# Altium PCB spd150.PcbDoc (part 13 of 15)
Units mil, origin at the board's own origin, x right, y up, seen from the top; angles counter-clockwise.
Board outline 8557 x 5807 mil, 10 copper layers (TOP, LYR2-PLN, LYR3-SIG, LYR4-SIG, LYR5-PLN, LYR6-PLN, LYR7-SIG, LYR8-SIG, LYR9-PLN, BOTTOM), stack 84 mil thick; 1065 components, 972 nets, 4226 pads, 2810 vias.
Unrouted connection lines stored in the file: 16.
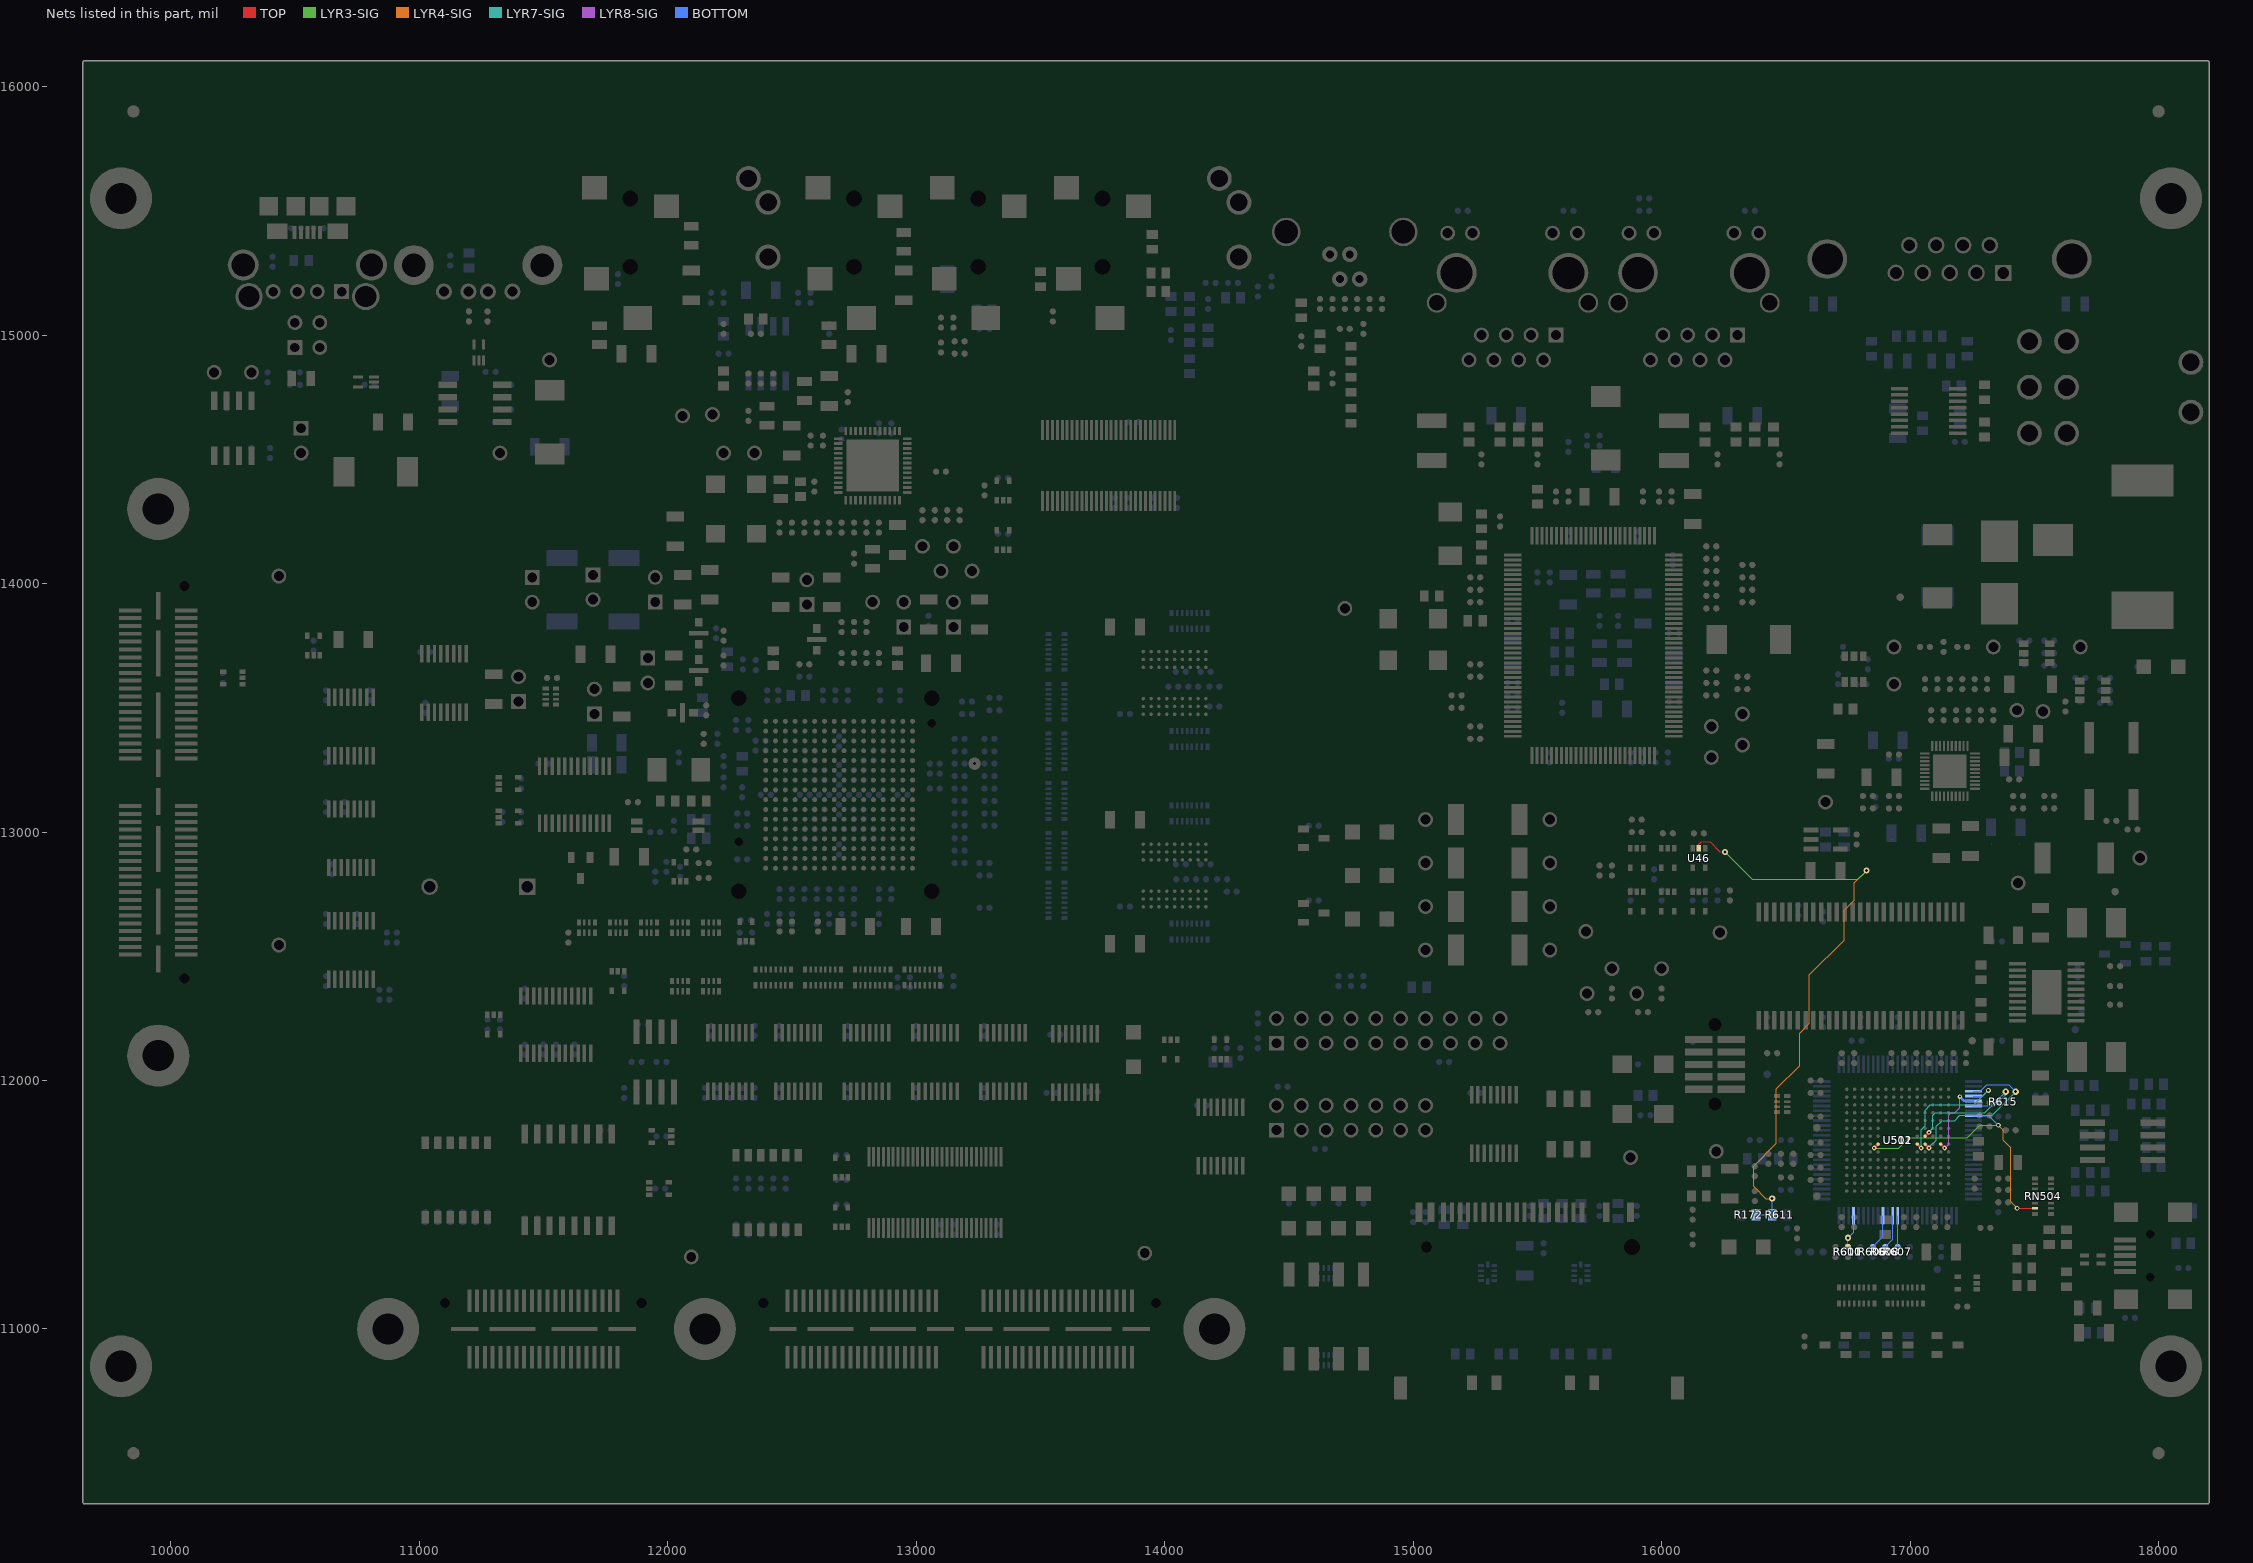
[diagram p21: the nets of this part, all layers, seen from the top]

## Via types
v1: diameter 25, hole 12, TOP to BOTTOM, 2018 vias
v2: diameter 19, hole 8, TOP to BOTTOM, 651 vias
v3: diameter 20, hole 10, TOP to BOTTOM, 120 vias
v4: diameter 22, hole 10, TOP to BOTTOM, 21 vias

## Nets (pads, with @x,y where several pads share a name; then routed paths per layer and width w, separated by ;. In a path a pad name is that pad's centre, name@x,y a point inside that pad or via, vN(x,y) a via of type N, cw(c..) or ccw(c..) an arc to the next point about the centre after c; other vN are vias at no path point) (continued)
XEVNT1: R601.1 R610.1 U511.72 | length 171.4
  TOP w5: R610.1@16750,11330 v1(16750,11367)
  BOTTOM w5: R601.1@16750,11330 v1(16750,11367) 16772.7,11389.7 U511.72@16772.7,11455
XRSN: R172.2 R611.2 U46.2 | length 2455.9
  TOP w5: U46.2@16150,12934 16150,12950 16160,12960 16195,12960 16235,12920 v1(16255,12920)
  LYR3-SIG w5: v1(16255,12920) 16365,12810 16790,12810 v1(16825,12845)
  LYR4-SIG w5: v1(16445,11525) 16420,11525 16370,11575 16370,11655 16462,11747 16462,11967 16555,12060 16555,12190 16595,12230 16595,12425 16735,12565 16735,12685 16775,12725 16775,12795 v1(16825,12845)
  BOTTOM w5: R172.2@16380,11460 R611.2@16445,11460 v1(16445,11525)
XTDI: R608.1 U511.64 | length 137.6
  BOTTOM w5: R608.1@16900,11330 16930.3,11360.3 U511.64@16930.3,11455
XTDO: R607.1 U511.63 | length 125
  BOTTOM w5: R607.1@16950,11330 U511.63@16950,11455
XTMS: R606.1 U511.66 | length 141.9
  BOTTOM w5: R606.1@16850,11330 16890.9,11370.9 U511.66@16890.9,11455
ZCE0: R615.2 U502.H4 U511.31 | length 590.9
  TOP w10: U502.H4@17060.3,11775.8 v2(17076,11791.5)
  LYR7-SIG w4: v2(17076,11791.5) 17076.5,11791.5 17092,11807 17092,11861 17101.5,11870.5 17255,11870.5
  LYR7-SIG w5: 17255,11870.5 17300.5,11870.5 v1(17385,11955)
  BOTTOM w5: U511.31@17255,11897.9 17337.9,11897.9 R615.2@17355,11915 17356.4,11915 17385,11943.6 v1(17385,11955)
ZINT2: RN504.15 U502.G10 U511.33 | length 1113.3
  TOP w5: v3(17431,11486) RN504.15@17503,11486
  TOP w10: v2(16855.4,11728.4) U502.G10@16871.2,11744.2
  LYR3-SIG w4: v2(16855.4,11728.4) 16953.4,11728.4 16995,11770 17230,11770
  LYR3-SIG w5: 17230,11770 17280,11820 v3(17355,11820)
  LYR4-SIG w5: v3(17355,11820) 17375,11800 17375,11760 17405,11730 17405,11512 v3(17431,11486)
  BOTTOM w5: U511.33@17255,11858.5 17316.5,11858.5 v3(17355,11820)
ZOE: U502.G2 U511.30 | length 325.7
  TOP w10: U502.G2@17123.3,11744.2 v2(17139,11728.4)
  LYR8-SIG w4: v2(17139,11728.4) 17155,11744.4 17155,11861 17164,11870 17180,11870 17200,11890 v2(17200,11935)
  BOTTOM w10: v2(17200,11935) 17217.4,11917.6 U511.30@17255,11917.6
ZRE: U502.G5 U511.29 | length 537.8
  TOP w10: U502.G5@17028.8,11744.2 v2(17044.5,11728.4)
  LYR7-SIG w4: v2(17044.5,11728.4) 17044.5,11801 17060.5,11817 17060.5,11880.5 17081.5,11901.5 17255,11901.5
  LYR7-SIG w5: 17255,11901.5 17256.5,11901.5 v3(17315,11960)
  BOTTOM w5: U511.29@17255,11937.3 17292.3,11937.3 v3(17315,11960)
ZWE: U502.G4 U511.28 | length 690.8
  TOP w10: U502.G4@17060.3,11744.2 v2(17076,11728.4)
  LYR7-SIG w4: v2(17076,11728.4) 17076,11731 17105,11760 17105,11815 17129,11839 17179,11839 17200,11860 17255,11860
  LYR7-SIG w5: 17255,11860 17330,11860 v1(17425,11955)
  BOTTOM w5: U511.28@17255,11957 17283.2,11957 17308.7,11982.5 17397.5,11982.5 v1(17425,11955)
pads on no net: "J201. " "J205. " "P2. " "P12. " "U1. " D21.2 D503.2 D504.2 D505.2 D506.2 D507.2 J2.9 J2.10 J5.17 J5.19 J201.4 P1.1 P1.4 P1.6 P1.9 P2.25 P2.26 P3.5 P3.6 P4.5 P4.6 P5.4 P5.5 P5.6 P6.4 P6.5 P6.6 P8.5 P8.6 P9.7 P9.MH1 P9.MH2 P10.7 P10.MH1 P10.MH2 P11.6 P11.75 P11.89 P11.90 P12.23 P13.5 P13.47 P13.53 P13.54 P13.69 P13.75 P13.76 P13.89 P13.90 RN5.1 RN5.8 RN11.1 RN11.16 RN16.8 RN16.9 RN501.1 RN501.5 RN501.6 RN501.7 RN501.8 RN501.9 RN501.10 RN501.11 RN501.12 RN501.15 RN501.16 RN502.1 RN502.2 RN502.15 RN502.16 RN504.7 RN504.8 RN504.9 RN504.10 SW2.6 SW2.7 SW6.3 SW6.6 SW6.7 SW6.8 U2.10 U2.11 U2.13 U2.14 U8.33 U8.34 U8.51 U8.52 U9.10 U9.11 U9.13 U9.14 U10.10 U10.11 U10.13 U10.14 U11.13 U11.14 U19.11 U21.E2 U22.E2 U23.3 U23.4 U23.5 U23.6 U23.11 U23.12 U23.13 U23.14 U24.10 U28.10 U32.4 U32.6 U32.9 U33.3 U33.4 U33.9 U37.1 U38.4 U38.6 U38.12 U38.30 U38.32 U41.9 U41.10 U41.11 U41.17 U41.18 U41.19 U41.24 U41.34 U41.35 U41.72 U41.73 U41.80 U41.82 U41.83 U41.86 U41.87 U41.96 U41.99 U42.1 U44.31 U45.3 U48.3 U51.1 U52.1 U53.1 U55.2 U56.2 U57.1 U58.5 U58.6 U58.10 U58.11 U58.13 U58.14 U502.A11 U502.B4 U502.B10 U502.B12 U502.C3 U502.C9 U502.D5 U502.D7 U502.D10 U502.E9 U502.E10 U502.F1 U502.G3 U502.H3 U502.H5 U502.H11 U502.J3 U502.K1 U502.K9 U502.L4 U502.M8 U502.P5 U502.P7 U510.1 U510.11 U510.20 U511.13 U511.18 U511.24 U511.26 U511.27 U511.34 U511.37 U511.45 U511.46 U511.48 U511.49 U511.53 U511.55 U511.56 U511.59 U511.60 U511.62 U511.65 U511.70 U511.78 U511.79 U511.80 U511.81 U511.83 U511.84 U511.89 U511.92 U511.93 U511.94 U511.95 U511.96 U511.97 U511.98 U511.99 U512.36 U512.40 U513.1 Z1.1 Z2.1 Z3.1 Z4.1 Z5.1 Z7.1 Z8.1 Z9.1 Z10.1
copper on no net: | length 480.3
  TOP w5: v1(11832.4,12525) 11832.4,12594.5 ; 11832.4,12635.5 11832.4,12672.4 v1(11835,12675) ; 12696.6,12383 12696.6,12360 12705,12351.6 v1(12705,12300) ; 12696.6,12447 12696.6,12466.4 12705,12474.8 v1(12705,12530) ; v3(16904.1,11204) 16908.4,11199.7 16908.4,11167 ; v3(16927.6,11235) 16927.6,11194.9 16931,11191.5 16931,11167
  TOP w10: v2(14024.3,12935.3) 14040.1,12919.5 ; v2(14024.3,13710.3) 14040.1,13694.5 ; 17028.8,11964.8 v2(17044.5,11980.5) ; 17154.8,11838.8 v2(17170.5,11854.5)
  other v1: 12745,14395 12785,14395 12825,14395 12865,14395 12905,14395 12745,14435 12785,14435 12825,14435 12865,14435 12905,14435 12745,14475 12785,14475 12825,14475 12865,14475 12905,14475 12745,14515 12785,14515 12825,14515 12865,14515 12905,14515 12745,14555 12785,14555 12825,14555 12865,14555 12905,14555
  other v2: 12060,13480 12125,13650 12600,13775 12125,13800

## Polygon pours and split planes (outlines as drawn)
GND on TOP (solid, pour order 160): 32 vertices, not listed, extent 10375,15140 10500,15340
GND on TOP (solid, pour order 156): 17145,14280 17205,14220 17205,14180 17200,14175 17030,14175 17010,14195 17010,14220 17070,14280 17145,14280
GND on TOP (solid, pour order 154): 18155,14005 18155,13780 18125,13750 17775,13750 17745,13780 17745,13985 17800,14040 18120,14040 18155,14005
GND on TOP (solid, pour order 152): 18165,14510 18165,14330 18155,14320 17785,14320 17760,14345 17760,14490 17790,14520 18155,14520 18165,14510
GND on TOP (solid, pour order 150): 17570,12050 17445,12050 17440,12045 17440,12005 17445,12000 17570,12000 17575,12005 17575,12045 17570,12050
DSK_1V2_SYS_OKAY on TOP (solid, pour order 148): 114 vertices, not listed, extent 17110,13710 17460,13875
DSK_1V8_SYS_OKAY on TOP (solid, pour order 146): 21 vertices, not listed, extent 16794.97,13680 17055,13790
N17367683 on TOP (solid, pour order 140): 12530,13940 12535,13945 12660,13945 12690,13915 12690,13890 12685,13885 12650,13885 12635,13870 12635,13815 12625,13805 12550,13805 12530,13825 12530,13940
VCC_1V2 on TOP (solid, pour order 134): 108 vertices, not listed, extent 17410,12788.8 17535,13070
N17058140 on TOP (solid, pour order 126): 12915,13860 12920,13865 13180,13865 13185,13860 13185,13795 13180,13790 12920,13790 12915,13795 12915,13860
N16299267 on TOP (solid, pour order 112): 52 vertices, not listed, extent 17475,12025 17990,12710
N16299235 on TOP (solid, pour order 110): 72 vertices, not listed, extent 17475,12025 17825,12330
USBVIN on TOP (solid, pour order 106): 17745,11105 17745,11065 17770,11040 17770,10960 17785,10945 17815,10945 17830,10960 17830,11050 17810,11070 17800,11080 17800,11155 17790,11165 17780,11165 17745,11130 17745,11105
N16874132 on TOP (solid, pour order 92): 205 vertices, not listed, extent 11245,14685 11610,15210
N21432686 on TOP (solid, pour order 90): 12150,13620 12175,13595 12175,13510 12165,13500 12150,13500 12075,13575 12075,13585 12110,13620 12150,13620
N21432690 on TOP (solid, pour order 88): 12165,13740 12110,13740 12110,13770 12200,13770 12210,13780 12230,13780 12235,13775 12235,13705 12230,13700 12205,13700 12165,13740
CPU_1V2 on TOP (solid, pour order 82): 12320,13615 12280,13655 12280,13985 12305,14010 12355,14010 12385,13980 12385,13665 12335,13615 12320,13615
CPU_1V2 on TOP (solid, pour order 76): 17791,12850 17759,12882 17759,12927 17769,12937 17785,12937 17793,12945 17910,12945 17950,12905 17950,12885 17915,12850 17791,12850
N18196957 on TOP (solid, pour order 70): 10605,14380 10490,14495 10490,14540 10504.9,14554.9 10725.1,14554.9 10745,14535 10745,14390 10735,14380 10605,14380
N17193780 on TOP (solid, pour order 66): 532 vertices, not listed, extent 10125,14575 10750,14885
VCC_5V on TOP (solid, pour order 60): 17129.9,13865.1 17090,13905 17060,13905 17055,13910 17055,13990 17045,14000 17045,14020 17060,14035 17150,14035 17210,13975 17210,13940 17165.1,13895.1 17161.7,13895.1 17131.7,13865.1 17129.9,13865.1
VCC_5V on TOP (solid, pour order 58): 10025,13940 10035,13930 10165,13930 10185,13910 10185,13880 10155,13850 9990,13850 9980,13860 9980,13915 10005,13940 10025,13940
VCC_5V on TOP (solid, pour order 56): 9715,12525 9740,12550 9920,12550 9925,12545 9925,12500 9885,12460 9755,12460 9715,12500 9715,12525
VCC_5V on TOP (solid, pour order 54): 9975,12535 9990,12550 10150,12550 10185,12515 10185,12495 10170,12480 9985,12480 9975,12490 9975,12535
VCC_5V on TOP (solid, pour order 52): 9780,13850 9750,13850 9725,13875 9725,13910 9760,13945 9885,13945 9925,13905 9925,13855 9920,13850 9895,13850 9890,13855 9785,13855 9780,13850
VCC_5V on TOP (solid, pour order 50): 11155,10940 11185,10970 11235,10970 11240,10965 11240,10780 11235,10775 11225,10775 11155,10845 11155,10940
VCC_5V on TOP (solid, pour order 48): 11180,11025 11150,11055 11150,11190 11165,11205 11220,11205 11245,11180 11245,11040 11230,11025 11180,11025
VCC_5V on TOP (solid, pour order 46): 11760,10960 11770,10970 11825,10970 11845,10950 11845,10825 11790,10770 11765,10770 11760,10775 11760,10960
VCC_5V on TOP (solid, pour order 44): 11760,11035 11760,11175 11755,11180 11755,11190 11765,11200 11870,11200 11880,11190 11880,11180 11875,11180 11845,11150 11845,11055 11815,11025 11770,11025 11760,11035
VCC_5V on TOP (solid, pour order 42): 74 vertices, not listed, extent 12435,10800 12525,10970
VCC_5V on TOP (solid, pour order 40): 12435,11180 12450,11195 12530,11195 12535,11190 12535,11180 12525,11170 12525,11045 12530,11040 12530,11035 12525,11030 12470,11030 12450,11050 12450,11150 12435,11165 12435,11180
VCC_5V on TOP (solid, pour order 38): 17 vertices, not listed, extent 13810,10800 13915,10975
VCC_5V on TOP (solid, pour order 36): 13830,11030 13825,11035 13825,11050 13830,11055 13830,11175 13820,11185 13820,11195 13825,11200 13900,11200 13915,11185 13915,11065 13880,11030 13830,11030
VCC_5V on TOP (solid, pour order 34): 17784.9,12570.1 17775,12580 17775,12705 17790,12720 17955,12720 17970,12705 17970,12580 17960.1,12570.1 17784.9,12570.1
VCC_1V8 on TOP (solid, pour order 26): 15170,13120 15230,13060 15230,12820 15210,12800 15010,12800 14980,12830 14980,13090 15010,13120 15170,13120
VCC_1V8 on TOP (solid, pour order 24): 16965.5,13341.5 16945,13362 16945,13423 16946,13424 16946,13476 16955,13485 17005,13485 17019.4,13470.6 17019.4,13402.6 17021,13401 17021,13396 17035,13382 17035,13348 17028.5,13341.5 16965.5,13341.5
N17212921 on TOP (solid, pour order 20): 18 vertices, not listed, extent 12520,14690 12745,14755
N17307196 on TOP (solid, pour order 16): 17290,14270 17300,14280 17605,14280 17650,14235 17650,14115 17610,14075 17305,14075 17290,14090 17290,14270
N17306324 on TOP (solid, pour order 10): 17475,13840 17453.4,13840 17453.3,13840.1 17278.3,13840.1 17235,13883.4 17235,14000 17245,14010 17285,14010 17295,14000 17435,14000 17455,14020 17475,14020 17490,14005 17490,13855 17475,13840
DSK_3V3 on TOP (solid, pour order 6): 16480,11855 16480,11955 16465,11970 16420,11970 16415,11965 16415,11845 16420,11840 16465,11840 16480,11855
DSK_3V3 on TOP (solid, pour order 4): 17555,11570 17620,11570 17630,11560 17630,11455 17620,11445 17560,11445 17555,11450 17555,11570
DSK_3V3 on TOP (solid, pour order 2): 17071.1,11116.9 17073,11115 17073,11053 17065,11045 16935,11045 16930,11050 16930,11070 16945,11085 16945,11115 16950,11120 17068,11120 17071.1,11116.9
N17156427 on TOP (solid, pour order 0): 254 vertices, not listed, extent 10483.8,14795 10760,15435
ENET_VDDA on LYR6-PLN (solid, pour order 114): 404 vertices, not listed, extent 15595,14025 16165,14385
DSK_3V3 on LYR6-PLN (solid, pour order 8): 928 vertices, not listed, extent 9675,10725 18175,15675
GND on BOTTOM (solid, pour order 162): 198 vertices, not listed, extent 12390,13530 12540,13820
GND on BOTTOM (solid, pour order 158): 831 vertices, not listed, extent 12565,13136.1 12823.5,13405
DSK_1V8_SYS_OKAY on BOTTOM (solid, pour order 144): 16920,13695 16900,13715 16900,13770 16920,13790 17040,13790 17055,13775 17055,13755.2 17054.8,13755.2 17054.8,13734.8 17055,13734.8 17055,13705 17045,13695 16920,13695
ENET_VDDATR on BOTTOM (solid, pour order 120): 15300,14635 15285,14650 15285,14795 15365,14875 15365,14900 15405,14940 15450,14940 15465,14925 15465,14850 15370,14755 15370,14655 15350,14635 15300,14635
ENET_VDDATR on BOTTOM (solid, pour order 118): 59 vertices, not listed, extent 16110,14630 16310,14945
USBVIN on BOTTOM (solid, pour order 108): 21 vertices, not listed, extent 17620,11025 17875,11190
DVDD on BOTTOM (solid, pour order 102): 480 vertices, not listed, extent 12795,12945 12955,13170
CPU_3V3 on BOTTOM (solid, pour order 64): 11655,13535 11635,13555 11635,13605 11670,13640 11670,13935 11695,13960 11805,13960 11870,13895 11870,13655 11885,13640 11940,13640 11975,13605 11975,13580 11930,13535 11655,13535
VCC_1V8 on BOTTOM (solid, pour order 22): 29 vertices, not listed, extent 16957,13288 17046,13399
N17307196 on BOTTOM (solid, pour order 18): 148 vertices, not listed, extent 17080,13930 17490,14270
N17306324 on BOTTOM (solid, pour order 12): 36 vertices, not listed, extent 17220,13850 17865,15065
N17058140 on LYR4-SIG (solid, pour order 128): 769 vertices, not listed, extent 12565,13145 13200,13875
GND_E_ENET on LYR4-SIG (solid, pour order 124): 1107 vertices, not listed, extent 14900,14640 16510,15180
CVDD on LYR4-SIG (solid, pour order 96): 931 vertices, not listed, extent 12600.1,12960 13080.3,13165
N20301254 on LYR4-SIG (solid, pour order 74): 408 vertices, not listed, extent 12385,13365 12485,13640
N20333449 on LYR4-SIG (solid, pour order 68): 608 vertices, not listed, extent 12100,13180 12565,13450
N16404807 on LYR4-SIG (solid, pour order 32): 501 vertices, not listed, extent 16425.6,11595 16815,11780
N17306324 on LYR4-SIG (solid, pour order 14): 127 vertices, not listed, extent 17200,13840 17887.5,15095
DSK_1V8 on LYR7-SIG (solid, pour order 132): 373 vertices, not listed, extent 15450,12837.5 16980,13560
ALT_CPU_1V2 on LYR7-SIG (solid, pour order 100): 2757 vertices, not listed, extent 11245,13335 16585,14230
CVDD on LYR7-SIG (solid, pour order 98): 2505 vertices, not listed, extent 11380,12560 13090,14100
CPU_1V2 on LYR7-SIG (solid, pour order 78): 1561 vertices, not listed, extent 13530,12840 18080,14327.5
USB_USBVDD on LYR7-SIG (solid, pour order 72): 229 vertices, not listed, extent 17104.8,11485 17355,11655
VCC_1V8 on LYR7-SIG (solid, pour order 28): 655 vertices, not listed, extent 14590,12605 17285,13400
VCC_3V3 on LYR9-PLN (solid, pour order 130): 1861 vertices, not listed, extent 10460,11935 17095,13825
DVDD on LYR9-PLN (solid, pour order 104): 3128 vertices, not listed, extent 11270,12460 13325,14200
USB_2.5V on LYR9-PLN (solid, pour order 94): 1563 vertices, not listed, extent 15860,10730 18175,12575
VCC_5V on LYR9-PLN (solid, pour order 62): 2202 vertices, not listed, extent 9685,10730 18170,15670
USB_1.6V on LYR9-PLN (solid, pour order 30): 1926 vertices, not listed, extent 16095.1,10920.1 17614.9,12520
GND_E_RS232 on LYR3-SIG (solid, pour order 142): 36 vertices, not listed, extent 16530,14860 17830,15650
VLDO2 on LYR3-SIG (solid, pour order 138): 831 vertices, not listed, extent 16525,12920 17590,13545
ENET_VDDATR on LYR3-SIG (solid, pour order 116): 400 vertices, not listed, extent 15295,14210 16215,15045
CPU_1V2 on LYR3-SIG (solid, pour order 80): 212 vertices, not listed, extent 11385,13790 12415,14030
ALT_3V3 on LYR8-SIG (solid, pour order 136): 505 vertices, not listed, extent 15815,12585 17910,13835
ENET_VDDIO on LYR8-SIG (solid, pour order 122): 241 vertices, not listed, extent 15400,13340 16004.4,13875
CPU_1V2 on LYR8-SIG (solid, pour order 84): 940 vertices, not listed, extent 12295,13770 13735,14145
GND on LYR5-PLN (solid, pour order 164): 2179 vertices, not listed, extent 9680,10725 18175,15675
GND_EARTH on LYR5-PLN (solid, pour order 86): 618 vertices, not listed, extent 9680,14945 10965,15675
GND on LYR2-PLN (solid, pour order 166): 2100 vertices, not listed, extent 9680,10725 18175,15675
no net on ASSY (solid): 14414.2,13235.4 14360.2,13235.4 14318.2,13277.4 14318.2,13424.4 14360.2,13466.4 14414.2,13466.4 14414.2,13235.4
no net on ASSY (solid): 14490.7,13466.4 14544.7,13466.4 14586.7,13424.4 14586.7,13277.4 14544.7,13235.4 14490.7,13235.4 14490.7,13466.4
no net on ASSY (solid): 14301.7,13910.4 14247.7,13910.4 14205.7,13952.4 14205.7,14099.4 14247.7,14141.4 14301.7,14141.4 14301.7,13910.4
no net on ASSY (solid): 14378.2,14141.4 14432.2,14141.4 14474.2,14099.4 14474.2,13952.4 14432.2,13910.4 14378.2,13910.4 14378.2,14141.4
no net on ASSY (solid): 15012.7,13208.4 14958.7,13208.4 14916.7,13250.4 14916.7,13397.4 14958.7,13439.4 15012.7,13439.4 15012.7,13208.4
no net on ASSY (solid): 15089.2,13439.4 15143.2,13439.4 15185.2,13397.4 15185.2,13250.4 15143.2,13208.4 15089.2,13208.4 15089.2,13439.4
no net on FILMMASKTOP (solid): 18050,10450 18050,10550 17950,10550 17950,10450 18050,10450
no net on FILMMASKTOP (solid): 18050,15850 18050,15950 17950,15950 17950,15850 18050,15850
no net on FILMMASKTOP (solid): 9900,15850 9900,15950 9800,15950 9800,15850 9900,15850
no net on FILMMASKTOP (solid): 9900,10450 9900,10550 9800,10550 9800,10450 9900,10450

## Keep-outs
TOP:
  circle w1: c18000,15900 r75
  circle w1: c18000,15900 r75
  circle w1: c9850,15900 r75
  circle w1: c9850,15900 r75
  circle w1: c9850,10500 r75
  circle w1: c9850,10500 r75
  circle w1: c18000,10500 r75
  circle w1: c18000,10500 r75
LYR2-PLN:
  lines w25: 11580,15700 11580,15475 11635,15420 11635,15125 11755,15005 12265,15005 12395,14875 12395,14505 12425,14475 12585,14475 12725,14615 12930,14615 13240,14925 14840,14925 14930,15015 14930,15215 14850,15295 14850,15700
BOTTOM:
  circle w1: c18000,10500 r75
  circle w1: c18000,10500 r75
  circle w1: c18000,15900 r75
  circle w1: c18000,15900 r75
  circle w1: c9850,15900 r75
  circle w1: c9850,15900 r75
  circle w1: c9850,10500 r75
  circle w1: c9850,10500 r75
Keep-Out Layer:
  lines w7: 9650,10700 9650,15700 ; 9650,10700 18200,10700 ; 9650,10700 9650,10300 18200,10300 18200,10700 ; 9650,15700 10390,15700 10390,15595 10715,15595 10715,15700 18200,15700 ; 9650,15700 9650,16100 18200,16100 18200,15700 ; 18200,10700 18200,15700

## Other copper
TOP:
  pour cut-out: 17971.11,12430 17969.5,12438.08 17964.92,12444.92 17958.08,12449.5 17950,12451.11 17941.92,12449.5 17935.08,12444.92 17930.5,12438.08 17928.89,12430 17930.5,12421.92 17935.08,12415.08 17941.92,12410.5 17950,12408.89 17958.08,12410.5 17964.92,12415.08 17969.5,12421.92 17971.11,12430
  pour cut-out: 12346.11,13725 12344.5,13733.08 12339.92,13739.92 12333.08,13744.5 12325,13746.11 12316.92,13744.5 12310.08,13739.92 12305.5,13733.08 12303.89,13725 12305.5,13716.92 12310.08,13710.08 12316.92,13705.5 12325,13703.89 12333.08,13705.5 12339.92,13710.08 12344.5,13716.92 12346.11,13725
  pour cut-out: 10246.11,14655 10244.5,14663.08 10239.92,14669.92 10233.08,14674.5 10225,14676.11 10216.92,14674.5 10210.08,14669.92 10205.5,14663.08 10203.89,14655 10205.5,14646.92 10210.08,14640.08 10216.92,14635.5 10225,14633.89 10233.08,14635.5 10239.92,14640.08 10244.5,14646.92 10246.11,14655
  pour cut-out: 10246.11,14800 10244.5,14808.08 10239.92,14814.92 10233.08,14819.5 10225,14821.11 10216.92,14819.5 10210.08,14814.92 10205.5,14808.08 10203.89,14800 10205.5,14791.92 10210.08,14785.08 10216.92,14780.5 10225,14778.89 10233.08,14780.5 10239.92,14785.08 10244.5,14791.92 10246.11,14800
  region net N17241029: 16884.5,13343 16884.5,13497 16848.5,13497 16820.5,13469 16820.5,13371 16848.5,13343 16884.5,13343 0,0
  region net VCC_1V8: 16935.5,13497 16935.5,13343 16971.5,13343 16999.5,13371 16999.5,13469 16971.5,13497 16935.5,13497 0,0
  region net N17240835: 17010.5,13047 17010.5,12893 17046.5,12893 17074.5,12921 17074.5,13019 17046.5,13047 17010.5,13047 0,0
  region net VCC_3V3: 16959.5,12893 16959.5,13047 16923.5,13047 16895.5,13019 16895.5,12921 16923.5,12893 16959.5,12893 0,0
  region net VCC_1V2: 17409.5,13029 17409.5,12875 17445.5,12875 17473.5,12903 17473.5,13001 17445.5,13029 17409.5,13029 0,0
  region net N17242129: 17358.5,12875 17358.5,13029 17322.5,13029 17294.5,13001 17294.5,12903 17322.5,12875 17358.5,12875 0,0
  text "09-10-09" at 13280,15880 h150
  text "09-10-09" at 13275,10415 h150
  text "LAYER 1" at 13800,7925 h55
  text "COMPONENT" at 13725,7800 h55
LYR2-PLN:
  drawing of 3575 lines, arcs and shapes, not listed
  text "LAYER 2" at 13800,7925 h55
  text "GROUND" at 13825,7800 h55
LYR3-SIG:
  drawing of 130 lines, arcs and shapes, not listed
  text "LAYER 3" at 13800,7925 h55
  text "SIGNAL" at 13825,7800 h55
LYR4-SIG:
  drawing of 143 lines, arcs and shapes, not listed
  text "LAYER 4" at 13800,7925 h55
  text "SIGNAL" at 13825,7800 h55
LYR5-PLN:
  drawing of 3564 lines, arcs and shapes, not listed
  text "LAYER 5" at 13800,7925 h55
  text "GROUND" at 13825,7800 h55
LYR6-PLN:
  drawing of 4575 lines, arcs and shapes, not listed
  text "LAYER 6" at 13800,7925 h55
  text "POWER" at 13850,7800 h55
LYR7-SIG:
  drawing of 570 lines, arcs and shapes, not listed
  text "LAYER 7" at 13800,7925 h55
  text "SIGNAL" at 13825,7800 h55
LYR8-SIG:
  drawing of 279 lines, arcs and shapes, not listed
  text "LAYER 8" at 13800,7925 h55
  text "SIGNAL" at 13825,7800 h55
LYR9-PLN:
  drawing of 4467 lines, arcs and shapes, not listed
  text "LAYER 9" at 13800,7925 h55
  text "POWER" at 13850,7800 h55
BOTTOM:
  pour cut-out: 12664.67,13386.4 12663.61,13391.75 12660.58,13396.28 12656.05,13399.31 12650.7,13400.37 12645.35,13399.31 12640.82,13396.28 12637.79,13391.75 12636.73,13386.4 12637.79,13381.05 12640.82,13376.52 12645.35,13373.49 12650.7,13372.43 12656.05,13373.49 12660.58,13376.52 12663.61,13381.05 12664.67,13386.4
  pour cut-out: 12782.87,13347 12781.81,13352.35 12778.78,13356.88 12774.25,13359.91 12768.9,13360.97 12763.55,13359.91 12759.02,13356.88 12755.99,13352.35 12754.93,13347 12755.99,13341.65 12759.02,13337.12 12763.55,13334.09 12768.9,13333.03 12774.25,13334.09 12778.78,13337.12 12781.81,13341.65 12782.87,13347
  pour cut-out: 12664.67,13347 12663.61,13352.35 12660.58,13356.88 12656.05,13359.91 12650.7,13360.97 12645.35,13359.91 12640.82,13356.88 12637.79,13352.35 12636.73,13347 12637.79,13341.65 12640.82,13337.12 12645.35,13334.09 12650.7,13333.03 12656.05,13334.09 12660.58,13337.12 12663.61,13341.65 12664.67,13347
  pour cut-out: 12625.27,13347 12624.21,13352.35 12621.18,13356.88 12616.65,13359.91 12611.3,13360.97 12605.95,13359.91 12601.42,13356.88 12598.39,13352.35 12597.33,13347 12598.39,13341.65 12601.42,13337.12 12605.95,13334.09 12611.3,13333.03 12616.65,13334.09 12621.18,13337.12 12624.21,13341.65 12625.27,13347
  pour cut-out: 0,0 10,0 10,10 0,10
  pour cut-out: 0,0 10,0 10,10 0,10
  pour cut-out: 0,0 10,0 10,10 0,10
  pour cut-out: 0,0 10,0 10,10 0,10
  pour cut-out: 0,0 10,0 10,10 0,10
  pour cut-out: 0,0 10,0 10,10 0,10
  pour cut-out: 0,0 10,0 10,10 0,10
  pour cut-out: 0,0 10,0 10,10 0,10
  pour cut-out: 12664.67,13307.6 12663.61,13312.95 12660.58,13317.48 12656.05,13320.51 12650.7,13321.57 12645.35,13320.51 12640.82,13317.48 12637.79,13312.95 12636.73,13307.6 12637.79,13302.25 12640.82,13297.72 12645.35,13294.69 12650.7,13293.63 12656.05,13294.69 12660.58,13297.72 12663.61,13302.25 12664.67,13307.6
  pour cut-out: 12901.07,13071.2 12900.01,13076.55 12896.98,13081.08 12892.45,13084.11 12887.1,13085.17 12881.75,13084.11 12877.22,13081.08 12874.19,13076.55 12873.13,13071.2 12874.19,13065.85 12877.22,13061.32 12881.75,13058.29 12887.1,13057.23 12892.45,13058.29 12896.98,13061.32 12900.01,13065.85 12901.07,13071.2
  pour cut-out: 12901.07,13110.6 12900.01,13115.95 12896.98,13120.48 12892.45,13123.51 12887.1,13124.57 12881.75,13123.51 12877.22,13120.48 12874.19,13115.95 12873.13,13110.6 12874.19,13105.25 12877.22,13100.72 12881.75,13097.69 12887.1,13096.63 12892.45,13097.69 12896.98,13100.72 12900.01,13105.25 12901.07,13110.6
  pour cut-out: 12940.47,13110.6 12939.41,13115.95 12936.38,13120.48 12931.85,13123.51 12926.5,13124.57 12921.15,13123.51 12916.62,13120.48 12913.59,13115.95 12912.53,13110.6 12913.59,13105.25 12916.62,13100.72 12921.15,13097.69 12926.5,13096.63 12931.85,13097.69 12936.38,13100.72 12939.41,13105.25 12940.47,13110.6
  pour cut-out: 11841.11,13715 11839.5,13723.08 11834.92,13729.92 11828.08,13734.5 11820,13736.11 11811.92,13734.5 11805.08,13729.92 11800.5,13723.08 11798.89,13715 11800.5,13706.92 11805.08,13700.08 11811.92,13695.5 11820,13693.89 11828.08,13695.5 11834.92,13700.08 11839.5,13706.92 11841.11,13715
  pour cut-out: 0,0 10,0 10,10 0,10
  pour cut-out: 0,0 10,0 10,10 0,10
  pour cut-out: 0,0 10,0 10,10 0,10
  pour cut-out: 0,0 10,0 10,10 0,10
  pour cut-out: 17538.48,14975 17537.36,14986.41 17534.03,14997.38 17528.63,15007.49 17521.35,15016.35 17512.49,15023.63 17502.38,15029.03 17491.41,15032.36 17480,15033.48 17468.59,15032.36 17457.62,15029.03 17447.51,15023.63 17438.65,15016.35 17431.37,15007.49 17425.97,14997.38 17422.64,14986.41 17421.52,14975 17422.64,14963.59 17425.97,14952.62 17431.37,14942.51 17438.65,14933.65 17447.51,14926.37 17457.62,14920.97 17468.59,14917.64 17480,14916.52 17491.41,14917.64 17502.38,14920.97 17512.49,14926.37 17521.35,14933.65 17528.63,14942.51 17534.03,14952.62 17537.36,14963.59 17538.48,14975
  pour cut-out: 17688.48,14975 17687.36,14986.41 17684.03,14997.38 17678.63,15007.49 17671.35,15016.35 17662.49,15023.63 17652.38,15029.03 17641.41,15032.36 17630,15033.48 17618.59,15032.36 17607.62,15029.03 17597.51,15023.63 17588.65,15016.35 17581.37,15007.49 17575.97,14997.38 17572.64,14986.41 17571.52,14975 17572.64,14963.59 17575.97,14952.62 17581.37,14942.51 17588.65,14933.65 17597.51,14926.37 17607.62,14920.97 17618.59,14917.64 17630,14916.52 17641.41,14917.64 17652.38,14920.97 17662.49,14926.37 17671.35,14933.65 17678.63,14942.51 17684.03,14952.62 17687.36,14963.59 17688.48,14975
  text "PWB 511341 REV F" at 11475,14300 h80
  text "LOGIC 511342 REV F" at 11625,14175 h80
  text "LAYER 10" at 13750,7925 h55
  text "SOLDER" at 13800,7800 h55

## Silkscreen, mask and mechanical layers (free items; w line width, h text height)
Top Overlay:
  drawing of 11417 lines, arcs and shapes, not listed
  text "USB1" at 10950,15520 h35 r90
  text "USB0" at 10265,15505 h35 r90
  text "IN" at 13545,15500 h35 r90
  text "OUT" at 11640,15450 h35 r90
  text "IN" at 13055,15445 h35 r90
  text "UART" at 17840,15445 h50 r90
  text "LINE" at 13545,15320 h35 r90
  text "MIC" at 13050,15305 h35 r90
  text "HP OUT" at 12555,15300 h35 r90
  text "LINE" at 11640,15275 h35 r90
  text "ENET-P1" at 16510,15275 h50 r90
  text "ENET-P2" at 15780,15270 h50 r90
  text "BELOW" at 10955,14285 h35
  text "U38" at 10995,14225 h35
  text "GND" at 10450,14100 h35 r90
  text "5V" at 17535,14000 h50
  text "1" at 9760,13985 h35
  text "IN" at 17535,13925 h50
  text "A1" at 14175,13775 h35
  text "GND" at 14740,13720 h35 r90
  text "A1" at 12225,13505 h50 r90
  text "A16" at 13165.6,13393.9 h35 r90
  text "1" at 17050,13095 h35
  text "1.2V" at 14495,13070 h50
  text "A1" at 14190,13005 h35
  text "CPU 1.8V" at 15150,12945 h35
  text "1.8V" at 14475,12830 h50
  text "EMIFB CLK" at 13305,12815 h35 r90
  text "T16" at 13167.8,12801.9 h35 r90
  text "CPU" at 17885,12795 h35
  text "DSK 1.8V" at 15155,12770 h35
  text "1.2V" at 17860,12745 h35
  text "CPU" at 17270,12730 h35
  text "1.2V" at 17305,12685 h35
  text "GND" at 10455,12610 h35 r90
  text "AUDIO EXPANSION" at 10275,12605 h50 r90
  text "DSK 3.3V" at 15150,12595 h35
  text "3.3V" at 14485,12540 h50
  text "GND" at 16250,12425 h35 r90
  text "CPU3.3V" at 15170,12410 h35
  text "ARM JTAG" at 14785,12320 h50
  text "1" at 16330,12195 h35
  text "1" at 14470,12055 h35 r90
  text "TI JTAG" at 14605,11965 h50
  text "USB EMU ON" at 13820,11920 h35 r90
  text "7" at 12260,11745 h35
  text "2" at 12310,11745 h35
  text "1" at 12360,11745 h35
  text "0" at 12410,11745 h35
  text "3" at 12460,11745 h35
  text "H" at 12170,11730 h50
  text "H" at 10915,11720 h50
  text "1" at 14470,11705 h35 r90
  text "GND" at 15930,11665 h35
  text "EMBED" at 17920,11570 h35
  text "MEDIA CARD" at 14975,11550 h50
  text "USB" at 17950,11520 h35
  text "A1" at 17235,11480 h35 r90
  text "BOOT" at 12160,11460 h50 r90
  text "CFG_EN" at 10875,11395 h50 r90
  text "SERIAL EXPANSION" at 11070,11280 h50
  text "GND" at 13975,11260 h35
  text "EMIF-A EXPANSION" at 12805,11250 h50
  text "GND" at 12150,11235 h35
  text "1" at 12380,10800 h35
  text "1" at 11120,10795 h35
  text "0" at 14475,10720 h50
  text "1" at 14580,10720 h50
  text "2" at 14675,10720 h50
  text "3" at 14780,10720 h50
  text "UPPER RT U502" at 16170,10720 h35
  text "TSLKC" at 13705,7825 h100
Bottom Overlay:
  lines w6: 11250,13140 12045,13140 12145,13140 12200,13195 ; 11880,12940 11905,12940 ; 11965,13510 12005,13510 12050,13555 12075,13555 12090,13540 12090,13395 12120,13395 ; 12005,12770 12025,12860 12010,12860 ; 12080,13605 12405,13605 12430,13585 ; 12245,12635 12275,12640 ; 12340,12535 12385,12475 ; 12455,13620 12455,13605 12480,13575 ; 12505,13780 12525,13695 ; 12590,13630 12630,13660 12630,13695 ; 12890,14020 12890,13935 12835,13880 ; 13385,12515 13175,12515 13005,12685 12950,12685 ; 13455,12305 13385,12305 13385,12575 13510,12575 ; 14175,12825 14195,12845 14375,12845 ; 14320,15130 14335,15115 14335,15105 ; 14485,14100 13910,14100 13715,13905 13435,13905 13315,13785 13315,13580 ; 15595,13615 15555,13575 15555,13420 15645,13330 15645,13300 ; 11905,12940 11905,13030 12000,13030 12000,13100 12105,13100 12340,13100 12340,12940 11905,12940 ; 12835,13880 12670,13880 12670,13650 12830,13650 12835,13655 12835,13880 ; 12950,12685 12950,12605 12375,12605 12375,12795 12945,12795 12950,12790 12950,12685 ; 13315,13580 13030,13580 13030,12790 13380,12790 13380,13580 13315,13580 ; 9700,11050 9700,11825 10075,11825 10725,11825 10725,11050 9700,11050 ; 11130,13045 11250,13045 11250,13220 11250,13360 11195,13360 11195,13400 11130,13400 11130,13045 ; 11385,12860 11385,12920 11540,12920 11545,12925 11545,13035 11735,13035 11880,13035 11880,12860 11385,12860 ; 12200,13125 12330,13125 12330,13335 12200,13335 12200,13125 ; 12830,14020 12830,14315 12855,14315 12990,14315 12990,14020 12830,14020 ; 14485,14025 14485,14785 14945,14785 14945,14025 14485,14025
  text "UNDER BGA IN MIDDLE" at 10675,11850 h35
  text "BSLKC" at 13725,7825 h100
Top Paste:
  pour cut-out net N17241029: 16884.5,13343 16884.5,13497 16848.5,13497 16820.5,13469 16820.5,13371 16848.5,13343 16884.5,13343 0,0
  pour cut-out net VCC_1V8: 16935.5,13497 16935.5,13343 16971.5,13343 16999.5,13371 16999.5,13469 16971.5,13497 16935.5,13497 0,0
  pour cut-out net N17240835: 17010.5,13047 17010.5,12893 17046.5,12893 17074.5,12921 17074.5,13019 17046.5,13047 17010.5,13047 0,0
  pour cut-out net VCC_3V3: 16959.5,12893 16959.5,13047 16923.5,13047 16895.5,13019 16895.5,12921 16923.5,12893 16959.5,12893 0,0
  pour cut-out net VCC_1V2: 17409.5,13029 17409.5,12875 17445.5,12875 17473.5,12903 17473.5,13001 17445.5,13029 17409.5,13029 0,0
  pour cut-out net N17242129: 17358.5,12875 17358.5,13029 17322.5,13029 17294.5,13001 17294.5,12903 17322.5,12875 17358.5,12875 0,0
Top Solder:
  pour cut-out net N17241029: 16886.5,13341 16886.5,13499 16847.5,13499 16818.5,13470 16818.5,13370 16847.5,13341 16886.5,13341 0,0
  pour cut-out net VCC_1V8: 16933.5,13499 16933.5,13341 16972.5,13341 17001.5,13370 17001.5,13470 16972.5,13499 16933.5,13499 0,0
  pour cut-out net N17240835: 17008.5,13049 17008.5,12891 17047.5,12891 17076.5,12920 17076.5,13020 17047.5,13049 17008.5,13049 0,0
  pour cut-out net VCC_3V3: 16961.5,12891 16961.5,13049 16922.5,13049 16893.5,13020 16893.5,12920 16922.5,12891 16961.5,12891 0,0
  pour cut-out net VCC_1V2: 17407.5,13031 17407.5,12873 17446.5,12873 17475.5,12902 17475.5,13002 17446.5,13031 17407.5,13031 0,0
  pour cut-out net N17242129: 17360.5,12873 17360.5,13031 17321.5,13031 17292.5,13002 17292.5,12902 17321.5,12873 17360.5,12873 0,0
  text "SMC" at 13825,7825 h100
Bottom Solder:
  text "SMS" at 13850,7825 h100
Mechanical 1:
  lines w1: 12350,12815 12350,13485 13025,13485 13025,12815 12350,12815 ; 13875,12675 13875,13000 14200,13000 14200,12675 13875,12675 ; 13875,13450 13875,13775 14200,13775 14200,13450 13875,13450 ; 16640,12000 16640,12070 16710,12070 17255,12070 17255,11455 16645,11455 16645,11995 16640,12000

## Text inside footprints (layer, text, board x,y; h text height)
C165: PIN_NUMBER "2" at 12317,14655 h20 r270; PIN_NUMBER "1" at 12317,14695 h20 r270; ASSEMBLY_TOP "USERPART#" at 12175,14675 h25 r270; ASSEMBLY_TOP "TOLERANCE" at 12225,14675 h25 r270; SYMBOL_PART_DIM "0" at 12312,14767 h25 r270; SYMBOL_PART_DIM "0" at 12241,14683 h25 r270; SYMBOL_PART_DIM "C402-35X32" at 12187,14798 h25 r270; SYMBOL_PART_DIM "PAD 35X32 OV" at 12137,14798 h25 r270
C166: PIN_NUMBER "2" at 13072,14450 h20 r180; PIN_NUMBER "1" at 13112,14450 h20 r180; ASSEMBLY_TOP "USERPART#" at 13100,14600 h25 r180; ASSEMBLY_TOP "TOLERANCE" at 13100,14550 h25 r180; SYMBOL_PART_DIM "0" at 13192,14463 h25 r180; SYMBOL_PART_DIM "0" at 13108,14534 h25 r180; SYMBOL_PART_DIM "C402-35X32" at 13223,14588 h25 r180; SYMBOL_PART_DIM "PAD 35X32 OV" at 13223,14638 h25 r180
C167: PIN_NUMBER "2" at 13994,15165 h20; PIN_NUMBER "1" at 13934,15165 h20; ASSEMBLY_TOP "X" at 14025,15165 h40; ASSEMBLY_TOP "X" at 13990,15160 h40; ASSEMBLY_TOP "220pF" at 13955,15160 h40; SYMB_DIM "0" at 13835,15155 h40; SYMB_DIM "0" at 13955,15040 h40; SYMB_DIM "C603-35X45" at 13825,15325 h40; SYMB_DIM "SP  35X45OV" at 13815,14830 h40; SYMB_DIM "SM  43X53OV" at 13815,14900 h40; SYMB_DIM "PAD 35X45OV" at 13815,14975 h40
C168: PIN_NUMBER "1" at 12844,14925 h40 r180; PIN_NUMBER "2" at 12724,14925 h40 r180; Top Overlay "+" at 12905,14890 h35 r180; ASSEMBLY_TOP "+" at 12915,14890 h40 r180; ASSEMBLY_TOP "X" at 12760,14940 h40 r180; ASSEMBLY_TOP "X" at 12800,14940 h40 r180; ASSEMBLY_TOP "33uF,6.3V" at 12835,14940 h40 r180; SYMB_DIM "0" at 12975,14950 h40 r180; SYMB_DIM "0" at 12825,15075 h40 r180; SYMB_DIM "C1206-40X70" at 12524,14720 h40 r180; SYMB_DIM "SP  40X70OV" at 12514,15300 h40 r180; SYMB_DIM "SM  48X78" at 12596,15225 h40 r180; SYMB_DIM "PAD 40X70OV" at 12514,15150 h40 r180
C169: PIN_NUMBER "2" at 12934,15260 h40 r90; PIN_NUMBER "1" at 12934,15140 h40 r90; Top Overlay "+" at 12925,15085 h35 r90; ASSEMBLY_TOP "+" at 12915,15085 h40 r90; ASSEMBLY_TOP "X" at 12965,15240 h40 r90; ASSEMBLY_TOP "X" at 12965,15200 h40 r90; ASSEMBLY_TOP "33uF,6.3V" at 12965,15165 h40 r90; SYMB_DIM "0" at 12975,15025 h40 r90; SYMB_DIM "0" at 13100,15175 h40 r90; SYMB_DIM "C1206-40X70" at 12569,15300 h40 r90; SYMB_DIM "SP  40X70OV" at 13149,15310 h40 r90; SYMB_DIM "SM  48X78" at 13106,15260 h40 r90; SYMB_DIM "PAD 40X70OV" at 12999,15310 h40 r90
C170: PIN_NUMBER "2" at 13092,15030 h20 r270; PIN_NUMBER "1" at 13092,15070 h20 r270; ASSEMBLY_TOP "USERPART#" at 12950,15050 h25 r270; ASSEMBLY_TOP "TOLERANCE" at 13000,15050 h25 r270; SYMBOL_PART_DIM "0" at 13087,15142 h25 r270; SYMBOL_PART_DIM "0" at 13016,15058 h25 r270; SYMBOL_PART_DIM "C402-35X32" at 12962,15173 h25 r270; SYMBOL_PART_DIM "PAD 35X32 OV" at 12912,15173 h25 r270
C171: PIN_NUMBER "2" at 13294,15110 h20 r180; PIN_NUMBER "1" at 13234,15110 h20 r180; SYMB_DIM "0" at 13135,15120 h40 r180; SYMB_DIM "0" at 13255,15235 h40 r180; SYMB_DIM "C603-35X45" at 13125,14950 h40 r180; SYMB_DIM "SP  35X45OV" at 13115,15445 h40 r180; SYMB_DIM "SM  43X53OV" at 13115,15375 h40 r180; SYMB_DIM "PAD 35X45OV" at 13115,15300 h40 r180; ASSEMBLY_BOTTOM "X" at 13325,15110 h40 r180; ASSEMBLY_BOTTOM "X" at 13290,15115 h40 r180; ASSEMBLY_BOTTOM "220pF" at 13255,15115 h40 r180
C172: PIN_NUMBER "2" at 13187,14975 h20 r180; PIN_NUMBER "1" at 13147,14975 h20 r180; ASSEMBLY_BOTTOM "USERPART#" at 13175,15125 h25 r180; ASSEMBLY_BOTTOM "TOLERANCE" at 13175,15075 h25 r180; SYMBOL_PART_DIM "0" at 13083,14988 h25 r180; SYMBOL_PART_DIM "0" at 13167,15059 h25 r180; SYMBOL_PART_DIM "C402-35X32" at 13052,15113 h25 r180; SYMBOL_PART_DIM "PAD 35X32 OV" at 13052,15163 h25 r180
C173: PIN_NUMBER "2" at 11799,14925 h40 r180; PIN_NUMBER "1" at 11919,14925 h40 r180; Top Overlay "+" at 11980,14985 h35 r180; ASSEMBLY_TOP "+" at 11990,14940 h40 r180; ASSEMBLY_TOP "X" at 11835,14940 h40 r180; ASSEMBLY_TOP "X" at 11875,14940 h40 r180; ASSEMBLY_TOP "10uF,6.3V" at 11910,14940 h40 r180; SYMB_DIM "0" at 12050,14950 h40 r180; SYMB_DIM "0" at 11900,15075 h40 r180; SYMB_DIM "C1206-40X70" at 11599,14720 h40 r180; SYMB_DIM "SP  40X70OV" at 11589,15300 h40 r180; SYMB_DIM "SM  48X78" at 11671,15225 h40 r180; SYMB_DIM "PAD 40X70OV" at 11589,15150 h40 r180
C174: PIN_NUMBER "1" at 12079,15140 h40 r90; PIN_NUMBER "2" at 12079,15260 h40 r90; Top Overlay "+" at 12140,15085 h35 r90; ASSEMBLY_TOP "+" at 12110,15085 h40 r90; ASSEMBLY_TOP "X" at 12110,15240 h40 r90; ASSEMBLY_TOP "X" at 12110,15200 h40 r90; ASSEMBLY_TOP "10uF,6.3V" at 12110,15165 h40 r90; SYMB_DIM "0" at 12120,15025 h40 r90; SYMB_DIM "0" at 12245,15175 h40 r90; SYMB_DIM "C1206-40X70" at 11714,15300 h40 r90; SYMB_DIM "SP  40X70OV" at 12294,15310 h40 r90; SYMB_DIM "SM  48X78" at 12251,15260 h40 r90; SYMB_DIM "PAD 40X70OV" at 12144,15310 h40 r90
C175: PIN_NUMBER "2" at 12442,14245 h20 r90; PIN_NUMBER "1" at 12442,14205 h20 r90; ASSEMBLY_TOP "USERPART#" at 12600,14225 h25 r90; ASSEMBLY_TOP "TOLERANCE" at 12550,14225 h25 r90; SYMBOL_PART_DIM "0" at 12463,14133 h25 r90; SYMBOL_PART_DIM "0" at 12534,14217 h25 r90; SYMBOL_PART_DIM "C402-35X32" at 12588,14102 h25 r90; SYMBOL_PART_DIM "PAD 35X32 OV" at 12638,14102 h25 r90
C176: PIN_NUMBER "2" at 14074,14910 h20 r270; PIN_NUMBER "1" at 14074,14850 h20 r270; SYMB_DIM "0" at 14080,14735 h40 r270; SYMB_DIM "0" at 13965,14855 h40 r270; SYMB_DIM "C603-35X45" at 14250,14725 h40 r270; SYMB_DIM "SP  35X45OV" at 13755,14715 h40 r270; SYMB_DIM "SM  43X53OV" at 13825,14715 h40 r270; SYMB_DIM "PAD 35X45OV" at 13900,14715 h40 r270; ASSEMBLY_BOTTOM "X" at 14090,14925 h40 r270; ASSEMBLY_BOTTOM "X" at 14085,14890 h40 r270; ASSEMBLY_BOTTOM "0.22uF" at 14085,14855 h40 r270
C177: PIN_NUMBER "1" at 14074,14975 h20 r270; PIN_NUMBER "2" at 14074,15035 h20 r270; SYMB_DIM "0" at 14080,14860 h40 r270; SYMB_DIM "0" at 13965,14980 h40 r270; SYMB_DIM "C603-35X45" at 14250,14850 h40 r270; SYMB_DIM "SP  35X45OV" at 13755,14840 h40 r270; SYMB_DIM "SM  43X53OV" at 13825,14840 h40 r270; SYMB_DIM "PAD 35X45OV" at 13900,14840 h40 r270; ASSEMBLY_BOTTOM "X" at 14090,15050 h40 r270; ASSEMBLY_BOTTOM "X" at 14085,15015 h40 r270; ASSEMBLY_BOTTOM "0.22uF" at 14085,14980 h40 r270
C178: PIN_NUMBER "2" at 14169,14965 h20 r90; PIN_NUMBER "1" at 14169,15025 h20 r90; SYMB_DIM "0" at 14195,15140 h40 r90; SYMB_DIM "0" at 14310,15020 h40 r90; SYMB_DIM "C603-35X45" at 14025,15150 h40 r90; SYMB_DIM "SP  35X45OV" at 14520,15160 h40 r90; SYMB_DIM "SM  43X53OV" at 14450,15160 h40 r90; SYMB_DIM "PAD 35X45OV" at 14375,15160 h40 r90; ASSEMBLY_BOTTOM "X" at 14185,14950 h40 r90; ASSEMBLY_BOTTOM "X" at 14190,14985 h40 r90; ASSEMBLY_BOTTOM "0.47uF" at 14190,15020 h40 r90
C179: PIN_NUMBER "2" at 12219,14990 h20 r90; PIN_NUMBER "1" at 12219,15050 h20 r90; SYMB_DIM "0" at 12245,15165 h40 r90; SYMB_DIM "0" at 12360,15045 h40 r90; SYMB_DIM "C603-35X45" at 12075,15175 h40 r90; SYMB_DIM "SP  35X45OV" at 12570,15185 h40 r90; SYMB_DIM "SM  43X53OV" at 12500,15185 h40 r90; SYMB_DIM "PAD 35X45OV" at 12425,15185 h40 r90; ASSEMBLY_BOTTOM "X" at 12235,14975 h40 r90; ASSEMBLY_BOTTOM "X" at 12240,15010 h40 r90; ASSEMBLY_BOTTOM "18pF" at 12240,15045 h40 r90
C180: PIN_NUMBER "2" at 14019,15090 h20 r90; PIN_NUMBER "1" at 14019,15150 h20 r90; SYMB_DIM "0" at 14045,15265 h40 r90; SYMB_DIM "0" at 14160,15145 h40 r90; SYMB_DIM "C603-35X45" at 13875,15275 h40 r90; SYMB_DIM "SP  35X45OV" at 14370,15285 h40 r90; SYMB_DIM "SM  43X53OV" at 14300,15285 h40 r90; SYMB_DIM "PAD 35X45OV" at 14225,15285 h40 r90; ASSEMBLY_BOTTOM "X" at 14035,15075 h40 r90; ASSEMBLY_BOTTOM "X" at 14040,15110 h40 r90; ASSEMBLY_BOTTOM "0.22uF" at 14040,15145 h40 r90
C181: PIN_NUMBER "1" at 14074,15100 h20 r270; PIN_NUMBER "2" at 14074,15160 h20 r270; SYMB_DIM "0" at 14080,14985 h40 r270; SYMB_DIM "0" at 13965,15105 h40 r270; SYMB_DIM "C603-35X45" at 14250,14975 h40 r270; SYMB_DIM "SP  35X45OV" at 13755,14965 h40 r270; SYMB_DIM "SM  43X53OV" at 13825,14965 h40 r270; SYMB_DIM "PAD 35X45OV" at 13900,14965 h40 r270; ASSEMBLY_BOTTOM "X" at 14090,15175 h40 r270; ASSEMBLY_BOTTOM "X" at 14085,15140 h40 r270; ASSEMBLY_BOTTOM "0.22uF" at 14085,15105 h40 r270
C182: PIN_NUMBER "2" at 14294,15160 h20 r180; PIN_NUMBER "1" at 14234,15160 h20 r180; SYMB_DIM "0" at 14135,15170 h40 r180; SYMB_DIM "0" at 14255,15285 h40 r180; SYMB_DIM "C603-35X45" at 14125,15000 h40 r180; SYMB_DIM "SP  35X45OV" at 14115,15495 h40 r180; SYMB_DIM "SM  43X53OV" at 14115,15425 h40 r180; SYMB_DIM "PAD 35X45OV" at 14115,15350 h40 r180; ASSEMBLY_BOTTOM "X" at 14325,15160 h40 r180; ASSEMBLY_BOTTOM "X" at 14290,15165 h40 r180; ASSEMBLY_BOTTOM "0.47uF" at 14255,15165 h40 r180
C183: PIN_NUMBER "2" at 12299,15180 h40; PIN_NUMBER "1" at 12419,15180 h40; SYMB_DIM "0" at 12550,15155 h40; SYMB_DIM "0" at 12400,15030 h40; SYMB_DIM "C1206-40X70" at 12099,15385 h40; SYMB_DIM "SP  40X70OV" at 12089,14805 h40; SYMB_DIM "SM  48X78" at 12171,14880 h40; SYMB_DIM "PAD 40X70OV" at 12089,14955 h40; ASSEMBLY_BOTTOM "X" at 12335,15165 h40; ASSEMBLY_BOTTOM "X" at 12375,15165 h40; ASSEMBLY_BOTTOM "22uF" at 12410,15165 h40
C184: PIN_NUMBER "1" at 12327,15005 h20; PIN_NUMBER "2" at 12367,15005 h20; ASSEMBLY_TOP "USERPART#" at 12355,14855 h25; ASSEMBLY_TOP "TOLERANCE" at 12355,14905 h25; ASSEMBLY_TOP "0.1uF" at 12355,15005 h25; SYMBOL_PART_DIM "0" at 12263,14992 h25; SYMBOL_PART_DIM "0" at 12347,14921 h25; SYMBOL_PART_DIM "C402-35X32" at 12232,14867 h25; SYMBOL_PART_DIM "PAD 35X32 OV" at 12232,14817 h25
C185: PIN_NUMBER "2" at 12219,14860 h20 r90; PIN_NUMBER "1" at 12219,14800 h20 r90; ASSEMBLY_TOP "X" at 12235,14875 h40 r90; ASSEMBLY_TOP "X" at 12240,14840 h40 r90; ASSEMBLY_TOP "0.47uF" at 12240,14805 h40 r90; SYMB_DIM "0" at 12245,14685 h40 r90; SYMB_DIM "0" at 12360,14805 h40 r90; SYMB_DIM "C603-35X45" at 12075,14675 h40 r90; SYMB_DIM "SP  35X45OV" at 12570,14665 h40 r90; SYMB_DIM "SM  43X53OV" at 12500,14665 h40 r90; SYMB_DIM "PAD 35X45OV" at 12425,14665 h40 r90
C186: PIN_NUMBER "1" at 12219,14850 h20 r90; PIN_NUMBER "2" at 12219,14790 h20 r90; SYMB_DIM "0" at 12245,14965 h40 r90; SYMB_DIM "0" at 12360,14845 h40 r90; SYMB_DIM "C603-35X45" at 12075,14975 h40 r90; SYMB_DIM "SP  35X45OV" at 12570,14985 h40 r90; SYMB_DIM "SM  43X53OV" at 12500,14985 h40 r90; SYMB_DIM "PAD 35X45OV" at 12425,14985 h40 r90; ASSEMBLY_BOTTOM "X" at 12235,14775 h40 r90; ASSEMBLY_BOTTOM "X" at 12240,14810 h40 r90; ASSEMBLY_BOTTOM "0.47uF" at 12240,14845 h40 r90
C187: PIN_NUMBER "2" at 12167,15130 h20 r90; PIN_NUMBER "1" at 12167,15170 h20 r90; ASSEMBLY_BOTTOM "USERPART#" at 12325,15150 h25 r90; ASSEMBLY_BOTTOM "TOLERANCE" at 12275,15150 h25 r90; ASSEMBLY_BOTTOM "0.01uF" at 12175,15150 h25 r90; SYMBOL_PART_DIM "0" at 12188,15242 h25 r90; SYMBOL_PART_DIM "0" at 12259,15158 h25 r90; SYMBOL_PART_DIM "C402-35X32" at 12313,15273 h25 r90; SYMBOL_PART_DIM "PAD 35X32 OV" at 12363,15273 h25 r90
C188: PIN_NUMBER "2" at 12567,15130 h20 r90; PIN_NUMBER "1" at 12567,15170 h20 r90; ASSEMBLY_BOTTOM "USERPART#" at 12725,15150 h25 r90; ASSEMBLY_BOTTOM "TOLERANCE" at 12675,15150 h25 r90; ASSEMBLY_BOTTOM "0.01uF" at 12575,15150 h25 r90; SYMBOL_PART_DIM "0" at 12588,15242 h25 r90; SYMBOL_PART_DIM "0" at 12659,15158 h25 r90; SYMBOL_PART_DIM "C402-35X32" at 12713,15273 h25 r90; SYMBOL_PART_DIM "PAD 35X32 OV" at 12763,15273 h25 r90
C189: PIN_NUMBER "1" at 12417,14845 h20 r270; PIN_NUMBER "2" at 12417,14805 h20 r270; ASSEMBLY_TOP "USERPART#" at 12275,14825 h25 r270; ASSEMBLY_TOP "TOLERANCE" at 12325,14825 h25 r270; ASSEMBLY_TOP "0.1uF" at 12425,14825 h25 r270; SYMBOL_PART_DIM "0" at 12412,14917 h25 r270; SYMBOL_PART_DIM "0" at 12341,14833 h25 r270; SYMBOL_PART_DIM "C402-35X32" at 12287,14948 h25 r270; SYMBOL_PART_DIM "PAD 35X32 OV" at 12237,14948 h25 r270
C190: PIN_NUMBER "2" at 14594,14860 h20 r90; PIN_NUMBER "1" at 14594,14800 h20 r90; ASSEMBLY_TOP "X" at 14610,14875 h40 r90; ASSEMBLY_TOP "X" at 14615,14840 h40 r90; ASSEMBLY_TOP "0.22uF" at 14615,14805 h40 r90; SYMB_DIM "0" at 14620,14685 h40 r90; SYMB_DIM "0" at 14735,14805 h40 r90; SYMB_DIM "C603-35X45" at 14450,14675 h40 r90; SYMB_DIM "SP  35X45OV" at 14945,14665 h40 r90; SYMB_DIM "SM  43X53OV" at 14875,14665 h40 r90; SYMB_DIM "PAD 35X45OV" at 14800,14665 h40 r90
C191: PIN_NUMBER "2" at 14619,15010 h20 r90; PIN_NUMBER "1" at 14619,14950 h20 r90; ASSEMBLY_TOP "X" at 14635,15025 h40 r90; ASSEMBLY_TOP "X" at 14640,14990 h40 r90; ASSEMBLY_TOP "0.22uF" at 14640,14955 h40 r90; SYMB_DIM "0" at 14645,14835 h40 r90; SYMB_DIM "0" at 14760,14955 h40 r90; SYMB_DIM "C603-35X45" at 14475,14825 h40 r90; SYMB_DIM "SP  35X45OV" at 14970,14815 h40 r90; SYMB_DIM "SM  43X53OV" at 14900,14815 h40 r90; SYMB_DIM "PAD 35X45OV" at 14825,14815 h40 r90
C192: PIN_NUMBER "2" at 14544,15135 h20 r90; PIN_NUMBER "1" at 14544,15075 h20 r90; ASSEMBLY_TOP "X" at 14560,15150 h40 r90; ASSEMBLY_TOP "X" at 14565,15115 h40 r90; ASSEMBLY_TOP "0.47uF" at 14565,15080 h40 r90; SYMB_DIM "0" at 14570,14960 h40 r90; SYMB_DIM "0" at 14685,15080 h40 r90; SYMB_DIM "C603-35X45" at 14400,14950 h40 r90; SYMB_DIM "SP  35X45OV" at 14895,14940 h40 r90; SYMB_DIM "SM  43X53OV" at 14825,14940 h40 r90; SYMB_DIM "PAD 35X45OV" at 14750,14940 h40 r90
C193: PIN_NUMBER "2" at 14744,14710 h20 r90; PIN_NUMBER "1" at 14744,14650 h20 r90; ASSEMBLY_TOP "X" at 14760,14725 h40 r90; ASSEMBLY_TOP "X" at 14765,14690 h40 r90; ASSEMBLY_TOP "0.22uF" at 14765,14655 h40 r90; SYMB_DIM "0" at 14770,14535 h40 r90; SYMB_DIM "0" at 14885,14655 h40 r90; SYMB_DIM "C603-35X45" at 14600,14525 h40 r90; SYMB_DIM "SP  35X45OV" at 15095,14515 h40 r90; SYMB_DIM "SM  43X53OV" at 15025,14515 h40 r90; SYMB_DIM "PAD 35X45OV" at 14950,14515 h40 r90